# KiCad board oibus-mini-CCC_PANEL.kicad_pcb (continued)
## Placement (name value [footprint] x y rotation side) (continued)
H2#18  OIBUS_12.1_CONN  [OIBUS12_connector]  160.5 142.51 90 top
H2#19  OIBUS_12.1_CONN  [OIBUS12_connector]  123.5 142.51 90 top
H2#20  OIBUS_12.1_CONN  [OIBUS12_connector]  49.5 142.51 90 top
H2#21  OIBUS_12.1_CONN  [OIBUS12_connector]  86.5 142.51 90 top
H2#22  OIBUS_12.1_CONN  [OIBUS12_connector]  197.5 142.51 90 top
H2#23  OIBUS_12.1_CONN  [OIBUS12_connector]  12.5 208.51 90 top
H2#24  OIBUS_12.1_CONN  [OIBUS12_connector]  234.5 142.51 90 top
H2#25  OIBUS_12.1_CONN  [OIBUS12_connector]  271.5 142.51 90 top
H2#26  OIBUS_12.1_CONN  [OIBUS12_connector]  160.5 208.51 90 top
H2#27  OIBUS_12.1_CONN  [OIBUS12_connector]  123.5 208.51 90 top
H2#28  OIBUS_12.1_CONN  [OIBUS12_connector]  49.5 208.51 90 top
H2#29  OIBUS_12.1_CONN  [OIBUS12_connector]  86.5 208.51 90 top
H2#30  OIBUS_12.1_CONN  [OIBUS12_connector]  197.5 208.51 90 top
H2#31  OIBUS_12.1_CONN  [OIBUS12_connector]  234.5 208.51 90 top
H2#32  OIBUS_12.1_CONN  [OIBUS12_connector]  271.5 208.51 90 top
J1  Conn_01x04_Female  [Grove_1x04]  6 52.01 90 top
J1#2  Conn_01x04_Female  [Grove_1x04]  43 52.01 90 top
J1#3  Conn_01x04_Female  [Grove_1x04]  80 52.01 90 top
J1#4  Conn_01x04_Female  [Grove_1x04]  117 52.01 90 top
J1#5  Conn_01x04_Female  [Grove_1x04]  154 52.01 90 top
J1#6  Conn_01x04_Female  [Grove_1x04]  191 52.01 90 top
J1#7  Conn_01x04_Female  [Grove_1x04]  265 52.01 90 top
J1#8  Conn_01x04_Female  [Grove_1x04]  228 52.01 90 top
J1#9  Conn_01x04_Female  [Grove_1x04]  6 118.01 90 top
J1#10  Conn_01x04_Female  [Grove_1x04]  191 118.01 90 top
J1#11  Conn_01x04_Female  [Grove_1x04]  80 118.01 90 top
J1#12  Conn_01x04_Female  [Grove_1x04]  117 118.01 90 top
J1#13  Conn_01x04_Female  [Grove_1x04]  43 118.01 90 top
J1#14  Conn_01x04_Female  [Grove_1x04]  154 118.01 90 top
J1#15  Conn_01x04_Female  [Grove_1x04]  265 118.01 90 top
J1#16  Conn_01x04_Female  [Grove_1x04]  228 118.01 90 top
J1#17  Conn_01x04_Female  [Grove_1x04]  6 184.01 90 top
J1#18  Conn_01x04_Female  [Grove_1x04]  191 184.01 90 top
J1#19  Conn_01x04_Female  [Grove_1x04]  80 184.01 90 top
J1#20  Conn_01x04_Female  [Grove_1x04]  117 184.01 90 top
J1#21  Conn_01x04_Female  [Grove_1x04]  43 184.01 90 top
J1#22  Conn_01x04_Female  [Grove_1x04]  154 184.01 90 top
J1#23  Conn_01x04_Female  [Grove_1x04]  265 184.01 90 top
J1#24  Conn_01x04_Female  [Grove_1x04]  6 250.01 90 top
J1#25  Conn_01x04_Female  [Grove_1x04]  228 184.01 90 top
J1#26  Conn_01x04_Female  [Grove_1x04]  191 250.01 90 top
J1#27  Conn_01x04_Female  [Grove_1x04]  80 250.01 90 top
J1#28  Conn_01x04_Female  [Grove_1x04]  117 250.01 90 top
J1#29  Conn_01x04_Female  [Grove_1x04]  43 250.01 90 top
J1#30  Conn_01x04_Female  [Grove_1x04]  154 250.01 90 top
J1#31  Conn_01x04_Female  [Grove_1x04]  265 250.01 90 top
J1#32  Conn_01x04_Female  [Grove_1x04]  228 250.01 90 top
J2  USB_B_Micro  [USB_Micro-B_Molex-105017-0001]  3.44 12.51 270 top
J2#2  USB_B_Micro  [USB_Micro-B_Molex-105017-0001]  40.44 12.51 270 top
J2#3  USB_B_Micro  [USB_Micro-B_Molex-105017-0001]  77.44 12.51 270 top
J2#4  USB_B_Micro  [USB_Micro-B_Molex-105017-0001]  114.44 12.51 270 top
J2#5  USB_B_Micro  [USB_Micro-B_Molex-105017-0001]  151.44 12.51 270 top
J2#6  USB_B_Micro  [USB_Micro-B_Molex-105017-0001]  188.44 12.51 270 top
J2#7  USB_B_Micro  [USB_Micro-B_Molex-105017-0001]  262.44 12.51 270 top
J2#8  USB_B_Micro  [USB_Micro-B_Molex-105017-0001]  225.44 12.51 270 top
J2#9  USB_B_Micro  [USB_Micro-B_Molex-105017-0001]  3.44 78.51 270 top
J2#10  USB_B_Micro  [USB_Micro-B_Molex-105017-0001]  188.44 78.51 270 top
J2#11  USB_B_Micro  [USB_Micro-B_Molex-105017-0001]  77.44 78.51 270 top
J2#12  USB_B_Micro  [USB_Micro-B_Molex-105017-0001]  114.44 78.51 270 top
J2#13  USB_B_Micro  [USB_Micro-B_Molex-105017-0001]  40.44 78.51 270 top
J2#14  USB_B_Micro  [USB_Micro-B_Molex-105017-0001]  151.44 78.51 270 top
J2#15  USB_B_Micro  [USB_Micro-B_Molex-105017-0001]  262.44 78.51 270 top
J2#16  USB_B_Micro  [USB_Micro-B_Molex-105017-0001]  225.44 78.51 270 top
J2#17  USB_B_Micro  [USB_Micro-B_Molex-105017-0001]  3.44 144.51 270 top
J2#18  USB_B_Micro  [USB_Micro-B_Molex-105017-0001]  188.44 144.51 270 top
J2#19  USB_B_Micro  [USB_Micro-B_Molex-105017-0001]  77.44 144.51 270 top
J2#20  USB_B_Micro  [USB_Micro-B_Molex-105017-0001]  114.44 144.51 270 top
J2#21  USB_B_Micro  [USB_Micro-B_Molex-105017-0001]  40.44 144.51 270 top
J2#22  USB_B_Micro  [USB_Micro-B_Molex-105017-0001]  151.44 144.51 270 top
J2#23  USB_B_Micro  [USB_Micro-B_Molex-105017-0001]  262.44 144.51 270 top
J2#24  USB_B_Micro  [USB_Micro-B_Molex-105017-0001]  3.44 210.51 270 top
J2#25  USB_B_Micro  [USB_Micro-B_Molex-105017-0001]  225.44 144.51 270 top
J2#26  USB_B_Micro  [USB_Micro-B_Molex-105017-0001]  188.44 210.51 270 top
J2#27  USB_B_Micro  [USB_Micro-B_Molex-105017-0001]  77.44 210.51 270 top
J2#28  USB_B_Micro  [USB_Micro-B_Molex-105017-0001]  114.44 210.51 270 top
J2#29  USB_B_Micro  [USB_Micro-B_Molex-105017-0001]  40.44 210.51 270 top
J2#30  USB_B_Micro  [USB_Micro-B_Molex-105017-0001]  151.44 210.51 270 top
J2#31  USB_B_Micro  [USB_Micro-B_Molex-105017-0001]  262.44 210.51 270 top
J2#32  USB_B_Micro  [USB_Micro-B_Molex-105017-0001]  225.44 210.51 270 top
J3  uavcan_5pins  [Molex_PicoBlade_53048-0510_1x05_P1.25mm_Horizontal]  32 10.51 90 top
J3#2  uavcan_5pins  [Molex_PicoBlade_53048-0510_1x05_P1.25mm_Horizontal]  69 10.51 90 top
J3#3  uavcan_5pins  [Molex_PicoBlade_53048-0510_1x05_P1.25mm_Horizontal]  106 10.51 90 top
J3#4  uavcan_5pins  [Molex_PicoBlade_53048-0510_1x05_P1.25mm_Horizontal]  143 10.51 90 top
J3#5  uavcan_5pins  [Molex_PicoBlade_53048-0510_1x05_P1.25mm_Horizontal]  180 10.51 90 top
J3#6  uavcan_5pins  [Molex_PicoBlade_53048-0510_1x05_P1.25mm_Horizontal]  217 10.51 90 top
J3#7  uavcan_5pins  [Molex_PicoBlade_53048-0510_1x05_P1.25mm_Horizontal]  291 10.51 90 top
J3#8  uavcan_5pins  [Molex_PicoBlade_53048-0510_1x05_P1.25mm_Horizontal]  254 10.51 90 top
J3#9  uavcan_5pins  [Molex_PicoBlade_53048-0510_1x05_P1.25mm_Horizontal]  32 76.51 90 top
J3#10  uavcan_5pins  [Molex_PicoBlade_53048-0510_1x05_P1.25mm_Horizontal]  217 76.51 90 top
J3#11  uavcan_5pins  [Molex_PicoBlade_53048-0510_1x05_P1.25mm_Horizontal]  106 76.51 90 top
J3#12  uavcan_5pins  [Molex_PicoBlade_53048-0510_1x05_P1.25mm_Horizontal]  143 76.51 90 top
J3#13  uavcan_5pins  [Molex_PicoBlade_53048-0510_1x05_P1.25mm_Horizontal]  69 76.51 90 top
J3#14  uavcan_5pins  [Molex_PicoBlade_53048-0510_1x05_P1.25mm_Horizontal]  180 76.51 90 top
J3#15  uavcan_5pins  [Molex_PicoBlade_53048-0510_1x05_P1.25mm_Horizontal]  291 76.51 90 top
J3#16  uavcan_5pins  [Molex_PicoBlade_53048-0510_1x05_P1.25mm_Horizontal]  254 76.51 90 top
J3#17  uavcan_5pins  [Molex_PicoBlade_53048-0510_1x05_P1.25mm_Horizontal]  32 142.51 90 top
J3#18  uavcan_5pins  [Molex_PicoBlade_53048-0510_1x05_P1.25mm_Horizontal]  217 142.51 90 top
J3#19  uavcan_5pins  [Molex_PicoBlade_53048-0510_1x05_P1.25mm_Horizontal]  106 142.51 90 top
J3#20  uavcan_5pins  [Molex_PicoBlade_53048-0510_1x05_P1.25mm_Horizontal]  143 142.51 90 top
J3#21  uavcan_5pins  [Molex_PicoBlade_53048-0510_1x05_P1.25mm_Horizontal]  69 142.51 90 top
J3#22  uavcan_5pins  [Molex_PicoBlade_53048-0510_1x05_P1.25mm_Horizontal]  180 142.51 90 top
J3#23  uavcan_5pins  [Molex_PicoBlade_53048-0510_1x05_P1.25mm_Horizontal]  32 208.51 90 top
J3#24  uavcan_5pins  [Molex_PicoBlade_53048-0510_1x05_P1.25mm_Horizontal]  291 142.51 90 top
J3#25  uavcan_5pins  [Molex_PicoBlade_53048-0510_1x05_P1.25mm_Horizontal]  254 142.51 90 top
J3#26  uavcan_5pins  [Molex_PicoBlade_53048-0510_1x05_P1.25mm_Horizontal]  217 208.51 90 top
J3#27  uavcan_5pins  [Molex_PicoBlade_53048-0510_1x05_P1.25mm_Horizontal]  106 208.51 90 top
J3#28  uavcan_5pins  [Molex_PicoBlade_53048-0510_1x05_P1.25mm_Horizontal]  143 208.51 90 top
J3#29  uavcan_5pins  [Molex_PicoBlade_53048-0510_1x05_P1.25mm_Horizontal]  69 208.51 90 top
J3#30  uavcan_5pins  [Molex_PicoBlade_53048-0510_1x05_P1.25mm_Horizontal]  180 208.51 90 top
J3#31  uavcan_5pins  [Molex_PicoBlade_53048-0510_1x05_P1.25mm_Horizontal]  291 208.51 90 top
J3#32  uavcan_5pins  [Molex_PicoBlade_53048-0510_1x05_P1.25mm_Horizontal]  254 208.51 90 top
L1  4u7  [L_Wuerth_MAPI-3010]  20.05 21.16 90 top
L1#2  4u7  [L_Wuerth_MAPI-3010]  57.05 21.16 90 top
L1#3  4u7  [L_Wuerth_MAPI-3010]  94.05 21.16 90 top
L1#4  4u7  [L_Wuerth_MAPI-3010]  131.05 21.16 90 top
L1#5  4u7  [L_Wuerth_MAPI-3010]  205.05 21.16 90 top
L1#6  4u7  [L_Wuerth_MAPI-3010]  168.05 21.16 90 top
L1#7  4u7  [L_Wuerth_MAPI-3010]  279.05 21.16 90 top
L1#8  4u7  [L_Wuerth_MAPI-3010]  242.05 21.16 90 top
L1#9  4u7  [L_Wuerth_MAPI-3010]  20.05 87.16 90 top
L1#10  4u7  [L_Wuerth_MAPI-3010]  131.05 87.16 90 top
L1#11  4u7  [L_Wuerth_MAPI-3010]  94.05 87.16 90 top
L1#12  4u7  [L_Wuerth_MAPI-3010]  57.05 87.16 90 top
L1#13  4u7  [L_Wuerth_MAPI-3010]  205.05 87.16 90 top
L1#14  4u7  [L_Wuerth_MAPI-3010]  168.05 87.16 90 top
L1#15  4u7  [L_Wuerth_MAPI-3010]  279.05 87.16 90 top
L1#16  4u7  [L_Wuerth_MAPI-3010]  242.05 87.16 90 top
L1#17  4u7  [L_Wuerth_MAPI-3010]  20.05 153.16 90 top
L1#18  4u7  [L_Wuerth_MAPI-3010]  131.05 153.16 90 top
L1#19  4u7  [L_Wuerth_MAPI-3010]  94.05 153.16 90 top
L1#20  4u7  [L_Wuerth_MAPI-3010]  57.05 153.16 90 top
L1#21  4u7  [L_Wuerth_MAPI-3010]  205.05 153.16 90 top
L1#22  4u7  [L_Wuerth_MAPI-3010]  168.05 153.16 90 top
L1#23  4u7  [L_Wuerth_MAPI-3010]  20.05 219.16 90 top
L1#24  4u7  [L_Wuerth_MAPI-3010]  279.05 153.16 90 top
L1#25  4u7  [L_Wuerth_MAPI-3010]  242.05 153.16 90 top
L1#26  4u7  [L_Wuerth_MAPI-3010]  131.05 219.16 90 top
L1#27  4u7  [L_Wuerth_MAPI-3010]  94.05 219.16 90 top
L1#28  4u7  [L_Wuerth_MAPI-3010]  57.05 219.16 90 top
L1#29  4u7  [L_Wuerth_MAPI-3010]  205.05 219.16 90 top
L1#30  4u7  [L_Wuerth_MAPI-3010]  168.05 219.16 90 top
L1#31  4u7  [L_Wuerth_MAPI-3010]  279.05 219.16 90 top
L1#32  4u7  [L_Wuerth_MAPI-3010]  242.05 219.16 90 top
L2  10uH  [L_0805_2012Metric]  35.6 44.81 270 top
L2#2  10uH  [L_0805_2012Metric]  72.6 44.81 270 top
L2#3  10uH  [L_0805_2012Metric]  146.6 44.81 270 top
L2#4  10uH  [L_0805_2012Metric]  109.6 44.81 270 top
L2#5  10uH  [L_0805_2012Metric]  220.6 44.81 270 top
L2#6  10uH  [L_0805_2012Metric]  183.6 44.81 270 top
L2#7  10uH  [L_0805_2012Metric]  294.6 44.81 270 top
L2#8  10uH  [L_0805_2012Metric]  257.6 44.81 270 top
L2#9  10uH  [L_0805_2012Metric]  72.6 110.81 270 top
L2#10  10uH  [L_0805_2012Metric]  35.6 110.81 270 top
L2#11  10uH  [L_0805_2012Metric]  220.6 110.81 270 top
L2#12  10uH  [L_0805_2012Metric]  183.6 110.81 270 top
L2#13  10uH  [L_0805_2012Metric]  146.6 110.81 270 top
L2#14  10uH  [L_0805_2012Metric]  109.6 110.81 270 top
L2#15  10uH  [L_0805_2012Metric]  294.6 110.81 270 top
L2#16  10uH  [L_0805_2012Metric]  257.6 110.81 270 top
L2#17  10uH  [L_0805_2012Metric]  72.6 176.81 270 top
L2#18  10uH  [L_0805_2012Metric]  35.6 176.81 270 top
L2#19  10uH  [L_0805_2012Metric]  220.6 176.81 270 top
L2#20  10uH  [L_0805_2012Metric]  183.6 176.81 270 top
L2#21  10uH  [L_0805_2012Metric]  146.6 176.81 270 top
L2#22  10uH  [L_0805_2012Metric]  109.6 176.81 270 top
L2#23  10uH  [L_0805_2012Metric]  72.6 242.81 270 top
L2#24  10uH  [L_0805_2012Metric]  35.6 242.81 270 top
L2#25  10uH  [L_0805_2012Metric]  294.6 176.81 270 top
L2#26  10uH  [L_0805_2012Metric]  257.6 176.81 270 top
L2#27  10uH  [L_0805_2012Metric]  220.6 242.81 270 top
L2#28  10uH  [L_0805_2012Metric]  183.6 242.81 270 top
L2#29  10uH  [L_0805_2012Metric]  146.6 242.81 270 top
L2#30  10uH  [L_0805_2012Metric]  109.6 242.81 270 top
L2#31  10uH  [L_0805_2012Metric]  294.6 242.81 270 top
L2#32  10uH  [L_0805_2012Metric]  257.6 242.81 270 top
NFC  Conn_01x02_Female  [SolderJumper-2_P1.3mm_Open_RoundedPad1.0x1.5mm]  28.5 53.91 180 bottom
NFC#2  Conn_01x02_Female  [SolderJumper-2_P1.3mm_Open_RoundedPad1.0x1.5mm]  65.5 53.91 180 bottom
NFC#3  Conn_01x02_Female  [SolderJumper-2_P1.3mm_Open_RoundedPad1.0x1.5mm]  102.5 53.91 180 bottom
NFC#4  Conn_01x02_Female  [SolderJumper-2_P1.3mm_Open_RoundedPad1.0x1.5mm]  139.5 53.91 180 bottom
NFC#5  Conn_01x02_Female  [SolderJumper-2_P1.3mm_Open_RoundedPad1.0x1.5mm]  176.5 53.91 180 bottom
NFC#6  Conn_01x02_Female  [SolderJumper-2_P1.3mm_Open_RoundedPad1.0x1.5mm]  213.5 53.91 180 bottom
NFC#7  Conn_01x02_Female  [SolderJumper-2_P1.3mm_Open_RoundedPad1.0x1.5mm]  287.5 53.91 180 bottom
NFC#8  Conn_01x02_Female  [SolderJumper-2_P1.3mm_Open_RoundedPad1.0x1.5mm]  250.5 53.91 180 bottom
NFC#9  Conn_01x02_Female  [SolderJumper-2_P1.3mm_Open_RoundedPad1.0x1.5mm]  28.5 119.91 180 bottom
NFC#10  Conn_01x02_Female  [SolderJumper-2_P1.3mm_Open_RoundedPad1.0x1.5mm]  213.5 119.91 180 bottom
NFC#11  Conn_01x02_Female  [SolderJumper-2_P1.3mm_Open_RoundedPad1.0x1.5mm]  102.5 119.91 180 bottom
NFC#12  Conn_01x02_Female  [SolderJumper-2_P1.3mm_Open_RoundedPad1.0x1.5mm]  139.5 119.91 180 bottom
NFC#13  Conn_01x02_Female  [SolderJumper-2_P1.3mm_Open_RoundedPad1.0x1.5mm]  65.5 119.91 180 bottom
NFC#14  Conn_01x02_Female  [SolderJumper-2_P1.3mm_Open_RoundedPad1.0x1.5mm]  176.5 119.91 180 bottom
NFC#15  Conn_01x02_Female  [SolderJumper-2_P1.3mm_Open_RoundedPad1.0x1.5mm]  287.5 119.91 180 bottom
NFC#16  Conn_01x02_Female  [SolderJumper-2_P1.3mm_Open_RoundedPad1.0x1.5mm]  250.5 119.91 180 bottom
NFC#17  Conn_01x02_Female  [SolderJumper-2_P1.3mm_Open_RoundedPad1.0x1.5mm]  28.5 185.91 180 bottom
NFC#18  Conn_01x02_Female  [SolderJumper-2_P1.3mm_Open_RoundedPad1.0x1.5mm]  213.5 185.91 180 bottom
NFC#19  Conn_01x02_Female  [SolderJumper-2_P1.3mm_Open_RoundedPad1.0x1.5mm]  102.5 185.91 180 bottom
NFC#20  Conn_01x02_Female  [SolderJumper-2_P1.3mm_Open_RoundedPad1.0x1.5mm]  139.5 185.91 180 bottom
NFC#21  Conn_01x02_Female  [SolderJumper-2_P1.3mm_Open_RoundedPad1.0x1.5mm]  65.5 185.91 180 bottom
NFC#22  Conn_01x02_Female  [SolderJumper-2_P1.3mm_Open_RoundedPad1.0x1.5mm]  176.5 185.91 180 bottom
NFC#23  Conn_01x02_Female  [SolderJumper-2_P1.3mm_Open_RoundedPad1.0x1.5mm]  287.5 185.91 180 bottom
NFC#24  Conn_01x02_Female  [SolderJumper-2_P1.3mm_Open_RoundedPad1.0x1.5mm]  28.5 251.91 180 bottom
NFC#25  Conn_01x02_Female  [SolderJumper-2_P1.3mm_Open_RoundedPad1.0x1.5mm]  250.5 185.91 180 bottom
NFC#26  Conn_01x02_Female  [SolderJumper-2_P1.3mm_Open_RoundedPad1.0x1.5mm]  213.5 251.91 180 bottom
NFC#27  Conn_01x02_Female  [SolderJumper-2_P1.3mm_Open_RoundedPad1.0x1.5mm]  102.5 251.91 180 bottom
NFC#28  Conn_01x02_Female  [SolderJumper-2_P1.3mm_Open_RoundedPad1.0x1.5mm]  139.5 251.91 180 bottom
NFC#29  Conn_01x02_Female  [SolderJumper-2_P1.3mm_Open_RoundedPad1.0x1.5mm]  65.5 251.91 180 bottom
NFC#30  Conn_01x02_Female  [SolderJumper-2_P1.3mm_Open_RoundedPad1.0x1.5mm]  176.5 251.91 180 bottom
NFC#31  Conn_01x02_Female  [SolderJumper-2_P1.3mm_Open_RoundedPad1.0x1.5mm]  287.5 251.91 180 bottom
NFC#32  Conn_01x02_Female  [SolderJumper-2_P1.3mm_Open_RoundedPad1.0x1.5mm]  250.5 251.91 180 bottom
P1  TC2030-MCP  [TC2030-MCP-NL]  17.53 27.44 0 top
P1#2  TC2030-MCP  [TC2030-MCP-NL]  54.53 27.44 0 top
P1#3  TC2030-MCP  [TC2030-MCP-NL]  128.53 27.44 0 top
P1#4  TC2030-MCP  [TC2030-MCP-NL]  91.53 27.44 0 top
P1#5  TC2030-MCP  [TC2030-MCP-NL]  202.53 27.44 0 top
P1#6  TC2030-MCP  [TC2030-MCP-NL]  165.53 27.44 0 top
P1#7  TC2030-MCP  [TC2030-MCP-NL]  276.53 27.44 0 top
P1#8  TC2030-MCP  [TC2030-MCP-NL]  239.53 27.44 0 top
P1#9  TC2030-MCP  [TC2030-MCP-NL]  54.53 93.44 0 top
P1#10  TC2030-MCP  [TC2030-MCP-NL]  17.53 93.44 0 top
P1#11  TC2030-MCP  [TC2030-MCP-NL]  202.53 93.44 0 top
P1#12  TC2030-MCP  [TC2030-MCP-NL]  165.53 93.44 0 top
P1#13  TC2030-MCP  [TC2030-MCP-NL]  128.53 93.44 0 top
P1#14  TC2030-MCP  [TC2030-MCP-NL]  91.53 93.44 0 top
P1#15  TC2030-MCP  [TC2030-MCP-NL]  276.53 93.44 0 top
P1#16  TC2030-MCP  [TC2030-MCP-NL]  239.53 93.44 0 top
P1#17  TC2030-MCP  [TC2030-MCP-NL]  54.53 159.44 0 top
P1#18  TC2030-MCP  [TC2030-MCP-NL]  17.53 159.44 0 top
P1#19  TC2030-MCP  [TC2030-MCP-NL]  202.53 159.44 0 top
P1#20  TC2030-MCP  [TC2030-MCP-NL]  165.53 159.44 0 top
P1#21  TC2030-MCP  [TC2030-MCP-NL]  128.53 159.44 0 top
P1#22  TC2030-MCP  [TC2030-MCP-NL]  91.53 159.44 0 top
P1#23  TC2030-MCP  [TC2030-MCP-NL]  54.53 225.44 0 top
P1#24  TC2030-MCP  [TC2030-MCP-NL]  17.53 225.44 0 top
P1#25  TC2030-MCP  [TC2030-MCP-NL]  276.53 159.44 0 top
P1#26  TC2030-MCP  [TC2030-MCP-NL]  239.53 159.44 0 top
P1#27  TC2030-MCP  [TC2030-MCP-NL]  202.53 225.44 0 top
P1#28  TC2030-MCP  [TC2030-MCP-NL]  165.53 225.44 0 top
P1#29  TC2030-MCP  [TC2030-MCP-NL]  128.53 225.44 0 top
P1#30  TC2030-MCP  [TC2030-MCP-NL]  91.53 225.44 0 top
P1#31  TC2030-MCP  [TC2030-MCP-NL]  276.53 225.44 0 top
P1#32  TC2030-MCP  [TC2030-MCP-NL]  239.53 225.44 0 top
Q1  DMG3415U-7  [SOT-23]  26.75 2.41 0 top
Q1#2  DMG3415U-7  [SOT-23]  63.75 2.41 0 top
Q1#3  DMG3415U-7  [SOT-23]  100.75 2.41 0 top
Q1#4  DMG3415U-7  [SOT-23]  137.75 2.41 0 top
Q1#5  DMG3415U-7  [SOT-23]  211.75 2.41 0 top
Q1#6  DMG3415U-7  [SOT-23]  174.75 2.41 0 top
Q1#7  DMG3415U-7  [SOT-23]  285.75 2.41 0 top
Q1#8  DMG3415U-7  [SOT-23]  248.75 2.41 0 top
Q1#9  DMG3415U-7  [SOT-23]  26.75 68.41 0 top
Q1#10  DMG3415U-7  [SOT-23]  137.75 68.41 0 top
Q1#11  DMG3415U-7  [SOT-23]  100.75 68.41 0 top
Q1#12  DMG3415U-7  [SOT-23]  63.75 68.41 0 top
Q1#13  DMG3415U-7  [SOT-23]  211.75 68.41 0 top
Q1#14  DMG3415U-7  [SOT-23]  174.75 68.41 0 top
Q1#15  DMG3415U-7  [SOT-23]  285.75 68.41 0 top
Q1#16  DMG3415U-7  [SOT-23]  248.75 68.41 0 top
Q1#17  DMG3415U-7  [SOT-23]  26.75 134.41 0 top
Q1#18  DMG3415U-7  [SOT-23]  137.75 134.41 0 top
Q1#19  DMG3415U-7  [SOT-23]  100.75 134.41 0 top
Q1#20  DMG3415U-7  [SOT-23]  63.75 134.41 0 top
Q1#21  DMG3415U-7  [SOT-23]  211.75 134.41 0 top
Q1#22  DMG3415U-7  [SOT-23]  174.75 134.41 0 top
Q1#23  DMG3415U-7  [SOT-23]  26.75 200.41 0 top
Q1#24  DMG3415U-7  [SOT-23]  285.75 134.41 0 top
Q1#25  DMG3415U-7  [SOT-23]  248.75 134.41 0 top
Q1#26  DMG3415U-7  [SOT-23]  137.75 200.41 0 top
Q1#27  DMG3415U-7  [SOT-23]  100.75 200.41 0 top
Q1#28  DMG3415U-7  [SOT-23]  63.75 200.41 0 top
Q1#29  DMG3415U-7  [SOT-23]  211.75 200.41 0 top
Q1#30  DMG3415U-7  [SOT-23]  174.75 200.41 0 top
Q1#31  DMG3415U-7  [SOT-23]  285.75 200.41 0 top
Q1#32  DMG3415U-7  [SOT-23]  248.75 200.41 0 top
Q2  NMOS  [SOT-23]  10.5 2.01 270 top
Q2#2  NMOS  [SOT-23]  47.5 2.01 270 top
Q2#3  NMOS  [SOT-23]  84.5 2.01 270 top
Q2#4  NMOS  [SOT-23]  121.5 2.01 270 top
Q2#5  NMOS  [SOT-23]  158.5 2.01 270 top
Q2#6  NMOS  [SOT-23]  195.5 2.01 270 top
Q2#7  NMOS  [SOT-23]  269.5 2.01 270 top
Q2#8  NMOS  [SOT-23]  232.5 2.01 270 top
Q2#9  NMOS  [SOT-23]  10.5 68.01 270 top
Q2#10  NMOS  [SOT-23]  195.5 68.01 270 top
Q2#11  NMOS  [SOT-23]  84.5 68.01 270 top
Q2#12  NMOS  [SOT-23]  121.5 68.01 270 top
Q2#13  NMOS  [SOT-23]  47.5 68.01 270 top
Q2#14  NMOS  [SOT-23]  158.5 68.01 270 top
Q2#15  NMOS  [SOT-23]  269.5 68.01 270 top
Q2#16  NMOS  [SOT-23]  232.5 68.01 270 top
Q2#17  NMOS  [SOT-23]  10.5 134.01 270 top
Q2#18  NMOS  [SOT-23]  195.5 134.01 270 top
Q2#19  NMOS  [SOT-23]  84.5 134.01 270 top
Q2#20  NMOS  [SOT-23]  121.5 134.01 270 top
Q2#21  NMOS  [SOT-23]  47.5 134.01 270 top
Q2#22  NMOS  [SOT-23]  158.5 134.01 270 top
Q2#23  NMOS  [SOT-23]  10.5 200.01 270 top
Q2#24  NMOS  [SOT-23]  269.5 134.01 270 top
Q2#25  NMOS  [SOT-23]  232.5 134.01 270 top
Q2#26  NMOS  [SOT-23]  195.5 200.01 270 top
Q2#27  NMOS  [SOT-23]  84.5 200.01 270 top
Q2#28  NMOS  [SOT-23]  121.5 200.01 270 top
Q2#29  NMOS  [SOT-23]  47.5 200.01 270 top
Q2#30  NMOS  [SOT-23]  158.5 200.01 270 top
Q2#31  NMOS  [SOT-23]  269.5 200.01 270 top
Q2#32  NMOS  [SOT-23]  232.5 200.01 270 top
Q3  NMOS  [SOT-23]  18 1.76 0 top
Q3#2  NMOS  [SOT-23]  55 1.76 0 top
Q3#3  NMOS  [SOT-23]  92 1.76 0 top
Q3#4  NMOS  [SOT-23]  129 1.76 0 top
Q3#5  NMOS  [SOT-23]  166 1.76 0 top
Q3#6  NMOS  [SOT-23]  203 1.76 0 top
Q3#7  NMOS  [SOT-23]  277 1.76 0 top
Q3#8  NMOS  [SOT-23]  240 1.76 0 top
Q3#9  NMOS  [SOT-23]  18 67.76 0 top
Q3#10  NMOS  [SOT-23]  203 67.76 0 top
Q3#11  NMOS  [SOT-23]  92 67.76 0 top
Q3#12  NMOS  [SOT-23]  129 67.76 0 top
Q3#13  NMOS  [SOT-23]  55 67.76 0 top
Q3#14  NMOS  [SOT-23]  166 67.76 0 top
Q3#15  NMOS  [SOT-23]  277 67.76 0 top
Q3#16  NMOS  [SOT-23]  240 67.76 0 top
Q3#17  NMOS  [SOT-23]  18 133.76 0 top
Q3#18  NMOS  [SOT-23]  203 133.76 0 top
Q3#19  NMOS  [SOT-23]  92 133.76 0 top
Q3#20  NMOS  [SOT-23]  129 133.76 0 top
Q3#21  NMOS  [SOT-23]  55 133.76 0 top
Q3#22  NMOS  [SOT-23]  166 133.76 0 top
Q3#23  NMOS  [SOT-23]  18 199.76 0 top
Q3#24  NMOS  [SOT-23]  277 133.76 0 top
Q3#25  NMOS  [SOT-23]  240 133.76 0 top
Q3#26  NMOS  [SOT-23]  203 199.76 0 top
Q3#27  NMOS  [SOT-23]  92 199.76 0 top
Q3#28  NMOS  [SOT-23]  129 199.76 0 top
Q3#29  NMOS  [SOT-23]  55 199.76 0 top
Q3#30  NMOS  [SOT-23]  166 199.76 0 top
Q3#31  NMOS  [SOT-23]  277 199.76 0 top
Q3#32  NMOS  [SOT-23]  240 199.76 0 top
R1  309k  [R_0603_1608Metric]  26.5 7.61 0 top
R1#2  309k  [R_0603_1608Metric]  63.5 7.61 0 top
R1#3  309k  [R_0603_1608Metric]  100.5 7.61 0 top
R1#4  309k  [R_0603_1608Metric]  137.5 7.61 0 top
R1#5  309k  [R_0603_1608Metric]  174.5 7.61 0 top
R1#6  309k  [R_0603_1608Metric]  211.5 7.61 0 top
R1#7  309k  [R_0603_1608Metric]  285.5 7.61 0 top
R1#8  309k  [R_0603_1608Metric]  248.5 7.61 0 top
R1#9  309k  [R_0603_1608Metric]  26.5 73.61 0 top
R1#10  309k  [R_0603_1608Metric]  211.5 73.61 0 top
R1#11  309k  [R_0603_1608Metric]  100.5 73.61 0 top
R1#12  309k  [R_0603_1608Metric]  137.5 73.61 0 top
R1#13  309k  [R_0603_1608Metric]  63.5 73.61 0 top
R1#14  309k  [R_0603_1608Metric]  174.5 73.61 0 top
R1#15  309k  [R_0603_1608Metric]  285.5 73.61 0 top
R1#16  309k  [R_0603_1608Metric]  248.5 73.61 0 top
R1#17  309k  [R_0603_1608Metric]  26.5 139.61 0 top
R1#18  309k  [R_0603_1608Metric]  211.5 139.61 0 top
R1#19  309k  [R_0603_1608Metric]  100.5 139.61 0 top
R1#20  309k  [R_0603_1608Metric]  137.5 139.61 0 top
R1#21  309k  [R_0603_1608Metric]  63.5 139.61 0 top
R1#22  309k  [R_0603_1608Metric]  174.5 139.61 0 top
R1#23  309k  [R_0603_1608Metric]  26.5 205.61 0 top
R1#24  309k  [R_0603_1608Metric]  285.5 139.61 0 top
R1#25  309k  [R_0603_1608Metric]  248.5 139.61 0 top
R1#26  309k  [R_0603_1608Metric]  211.5 205.61 0 top
R1#27  309k  [R_0603_1608Metric]  100.5 205.61 0 top
R1#28  309k  [R_0603_1608Metric]  137.5 205.61 0 top
R1#29  309k  [R_0603_1608Metric]  63.5 205.61 0 top
R1#30  309k  [R_0603_1608Metric]  174.5 205.61 0 top
R1#31  309k  [R_0603_1608Metric]  285.5 205.61 0 top
R1#32  309k  [R_0603_1608Metric]  248.5 205.61 0 top
R2  10k  [R_0603_1608Metric]  18 4.26 0 top
R2#2  10k  [R_0603_1608Metric]  55 4.26 0 top
R2#3  10k  [R_0603_1608Metric]  92 4.26 0 top
R2#4  10k  [R_0603_1608Metric]  129 4.26 0 top
R2#5  10k  [R_0603_1608Metric]  203 4.26 0 top
R2#6  10k  [R_0603_1608Metric]  166 4.26 0 top
R2#7  10k  [R_0603_1608Metric]  277 4.26 0 top
R2#8  10k  [R_0603_1608Metric]  240 4.26 0 top
R2#9  10k  [R_0603_1608Metric]  18 70.26 0 top
R2#10  10k  [R_0603_1608Metric]  129 70.26 0 top
R2#11  10k  [R_0603_1608Metric]  92 70.26 0 top
R2#12  10k  [R_0603_1608Metric]  55 70.26 0 top
R2#13  10k  [R_0603_1608Metric]  203 70.26 0 top
R2#14  10k  [R_0603_1608Metric]  166 70.26 0 top
R2#15  10k  [R_0603_1608Metric]  277 70.26 0 top
R2#16  10k  [R_0603_1608Metric]  240 70.26 0 top
R2#17  10k  [R_0603_1608Metric]  18 136.26 0 top
R2#18  10k  [R_0603_1608Metric]  129 136.26 0 top
R2#19  10k  [R_0603_1608Metric]  92 136.26 0 top
R2#20  10k  [R_0603_1608Metric]  55 136.26 0 top
R2#21  10k  [R_0603_1608Metric]  203 136.26 0 top
R2#22  10k  [R_0603_1608Metric]  166 136.26 0 top
R2#23  10k  [R_0603_1608Metric]  18 202.26 0 top
R2#24  10k  [R_0603_1608Metric]  277 136.26 0 top
R2#25  10k  [R_0603_1608Metric]  240 136.26 0 top
R2#26  10k  [R_0603_1608Metric]  129 202.26 0 top
R2#27  10k  [R_0603_1608Metric]  92 202.26 0 top
R2#28  10k  [R_0603_1608Metric]  55 202.26 0 top
R2#29  10k  [R_0603_1608Metric]  203 202.26 0 top
R2#30  10k  [R_0603_1608Metric]  166 202.26 0 top
R2#31  10k  [R_0603_1608Metric]  277 202.26 0 top
R2#32  10k  [R_0603_1608Metric]  240 202.26 0 top
R3  1k  [R_0603_1608Metric]  9.25 9.51 270 top
R3#2  1k  [R_0603_1608Metric]  46.25 9.51 270 top
R3#3  1k  [R_0603_1608Metric]  120.25 9.51 270 top
R3#4  1k  [R_0603_1608Metric]  83.25 9.51 270 top
R3#5  1k  [R_0603_1608Metric]  194.25 9.51 270 top
R3#6  1k  [R_0603_1608Metric]  157.25 9.51 270 top
R3#7  1k  [R_0603_1608Metric]  268.25 9.51 270 top
R3#8  1k  [R_0603_1608Metric]  231.25 9.51 270 top
R3#9  1k  [R_0603_1608Metric]  46.25 75.51 270 top
R3#10  1k  [R_0603_1608Metric]  9.25 75.51 270 top
R3#11  1k  [R_0603_1608Metric]  194.25 75.51 270 top
R3#12  1k  [R_0603_1608Metric]  157.25 75.51 270 top
R3#13  1k  [R_0603_1608Metric]  120.25 75.51 270 top
R3#14  1k  [R_0603_1608Metric]  83.25 75.51 270 top
R3#15  1k  [R_0603_1608Metric]  268.25 75.51 270 top
R3#16  1k  [R_0603_1608Metric]  231.25 75.51 270 top
R3#17  1k  [R_0603_1608Metric]  46.25 141.51 270 top
R3#18  1k  [R_0603_1608Metric]  9.25 141.51 270 top
R3#19  1k  [R_0603_1608Metric]  194.25 141.51 270 top
R3#20  1k  [R_0603_1608Metric]  157.25 141.51 270 top
R3#21  1k  [R_0603_1608Metric]  46.25 207.51 270 top
R3#22  1k  [R_0603_1608Metric]  120.25 141.51 270 top
